# Altium PCB HIL_RIG_REV_1_2.PcbDoc (part 11 of 14) (continued)
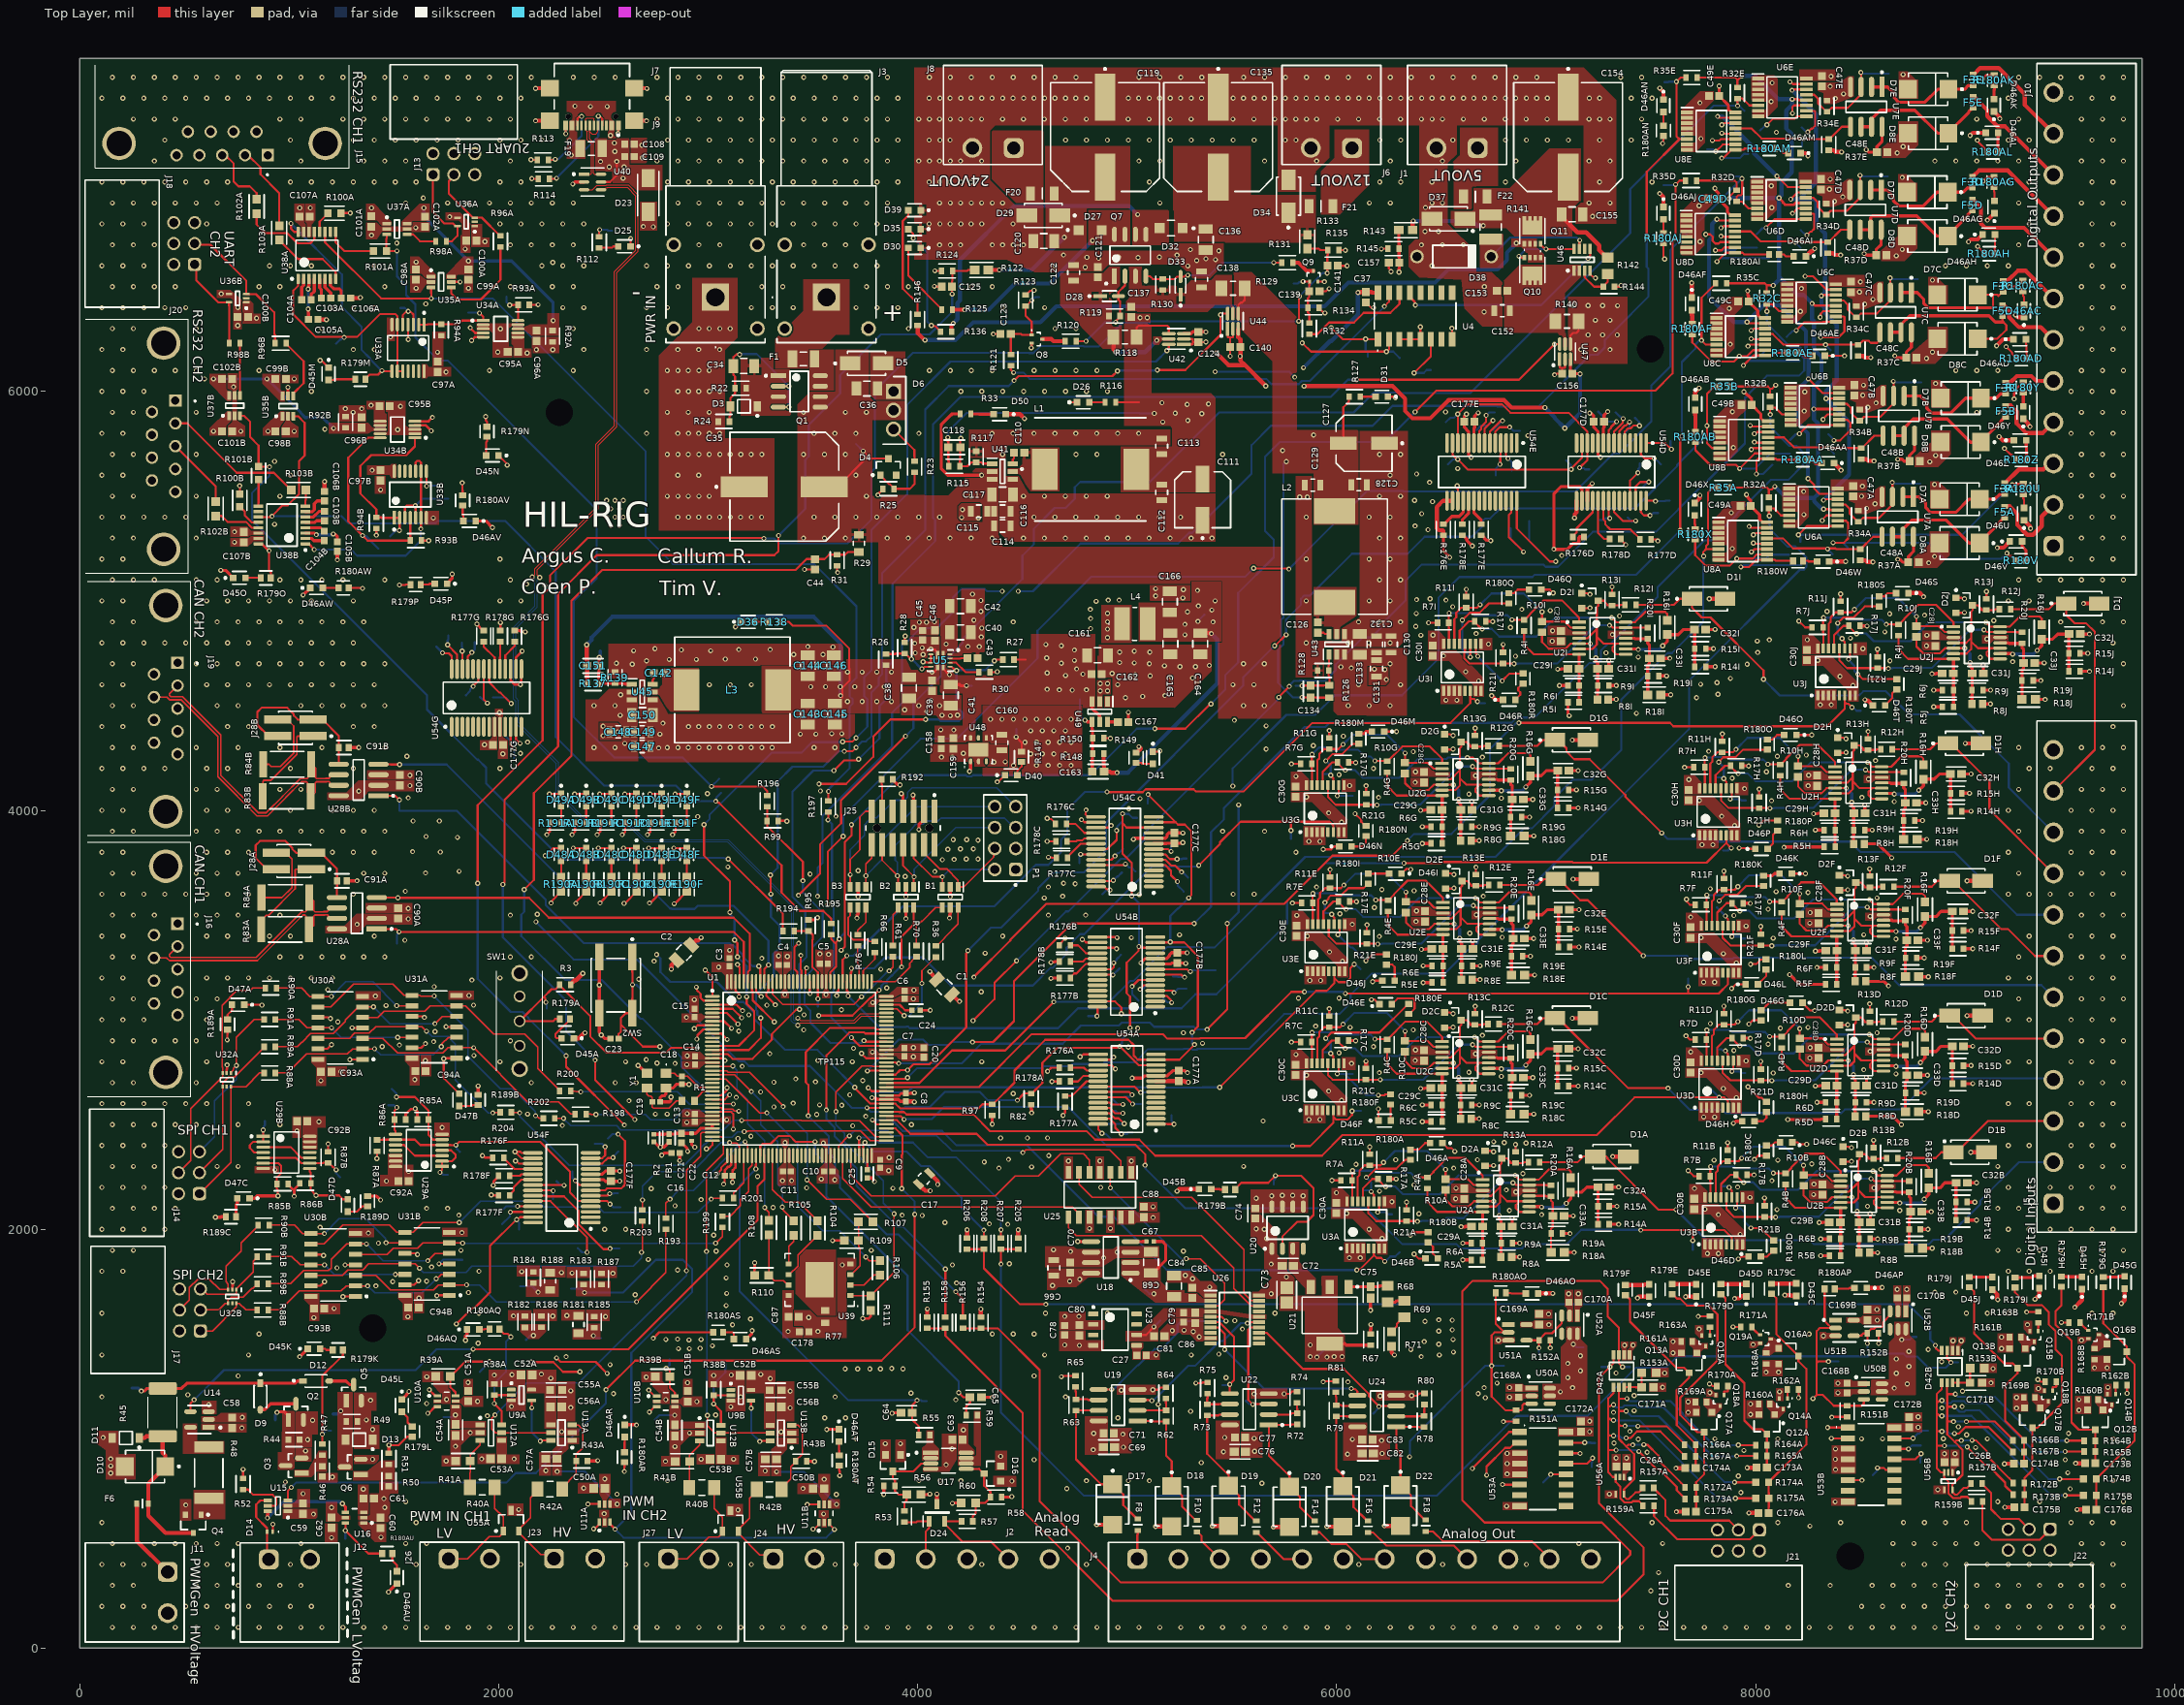
[diagram p0: Top Layer view]
## Nets (pads, with @x,y where several pads share a name; then routed paths per layer and width w, separated by ;. In a path a pad name is that pad's centre, name@x,y a point inside that pad or via, vN(x,y) a via of type N, cw(c..) or ccw(c..) an arc to the next point about the centre after c; other vN are vias at no path point) (continued)
  Top Layer w15: U7E.6@8503.42,7263.64 U7E.7@8553.42,7263.64 8553.42,7300 8596.3,7342.88 8759.75,7342.88 8869.83,7232.81 D8E.1@8920.35,7232.81 8920.35,7234.78 9017.37,7331.8 9017.37,7334.51 9034.83,7351.98 F5E.1@9038.77,7351.98
OrangeLedAnodeA: D46A.2 R180A.2 | length 107.3
  Top Layer w10: R180A.2@6352,2380 6390.25,2380 6422.25,2412 D46A.2@6446,2412
OrangeLedAnodeAA: D46AA.2 R180AA.2 | length 72.8
  Top Layer w20: R180AA.2@8248.98,5674.4 8271.45,5674.4 8287.85,5658 D46AA.2@8314.94,5658
OrangeLedAnodeAB: D46AB.2 R180AB.2 | length 104.2
  Top Layer w20: D46AB.2@7712,5910.94 7712,5887.2 7712.47,5886.73 R180AB.2@7712.47,5806.98
OrangeLedAnodeAC: D46AC.2 R180AC.2 | length 67.9
  Top Layer w10: R180AC.2@9276.29,6479.68 9276.29,6457.21 9280.94,6452.56 D46AC.2@9280.94,6413.72
OrangeLedAnodeAD: D46AD.2 R180AD.2 | length 93.1
  Top Layer w10: D46AD.2@9290.14,6248.97 9290.14,6225.22 9293.05,6222.32 R180AD.2@9293.05,6157.12
OrangeLedAnodeAE: D46AE.2 R180AE.2 | length 77.8
  Top Layer w20: R180AE.2@8200,6184 8222.47,6184 8236.47,6170 D46AE.2@8272,6170
OrangeLedAnodeAF: D46AF.2 R180AF.2 | length 66.9
  Top Layer w20: D46AF.2@7695.79,6388.42 7695.79,6364.67 7698,6362.46 R180AF.2@7698,6322.46
OrangeLedAnodeAG: D46AG.2 R180AG.2 | length 66.9
  Top Layer w10: R180AG.2@9138,6976 9138,6953.53 9140.2,6951.33 D46AG.2@9140.2,6910.04
OrangeLedAnodeAH: D46AH.2 R180AH.2 | length 92.9
  Top Layer w10: R180AH.2@9140.01,6657.44 9140.01,6682.41 9142.65,6685.05 D46AH.2@9142.65,6749.29
OrangeLedAnodeAI: D46AI.2 R180AI.2 | length 72.5
  Top Layer w10: R180AI.2@8112.46,6654 8134.93,6654 8143.47,6645.45 D46AI.2@8181.46,6645.45
OrangeLedAnodeAJ: D46AJ.2 R180AJ.2 | length 66
  Top Layer w10: R180AJ.2@7559.99,6755.88 7559.99,6778.35 D46AJ.2@7560,6821.84
OrangeLedAnodeAK: D46AK.2 R180AK.2 | length 66.9
  Top Layer w15: D46AK.2@9137.67,7395.58 9137.67,7436.75 9140,7439.07 R180AK.2@9140,7461.54
OrangeLedAnodeAL: D46AL.2 R180AL.2 | length 92.2
  Top Layer w15: R180AL.2@9156.9,7142.98 9156.9,7210.27 9157.71,7211.08 D46AL.2@9157.71,7234.83
OrangeLedAnodeAM: D46AM.2 R180AM.2 | length 76
  Top Layer w10: R180AM.2@8090.04,7159.64 8112.51,7159.64 8112.51,7157.75 8132.25,7138 D46AM.2@8156,7138
OrangeLedAnodeAN: D46AN.2 R180AN.2 | length 66
  Top Layer w10: R180AN.2@7560,7268.46 D46AN.2@7560,7334.42
OrangeLedAnodeAO: D46AO.2 R180AO.2 | length 95.9
  Top Layer w10: R180AO.2@6808.04,1696.37 6830.51,1696.37 6832.88,1694 D46AO.2@6902.94,1694
OrangeLedAnodeAP: D46AP.2 R180AP.2 | length 95.7
  Top Layer w10: R180AP.2@8378,1716 8444.25,1716 8448.25,1720 D46AP.2@8472,1720
OrangeLedAnodeAQ: D46AQ.2 R180AQ.2 | length 49.1
  Top Layer w10: D46AQ.2@1907.53,1522 1931.28,1522 1933.28,1524 R180AQ.2@1955.77,1524
OrangeLedAnodeAR: D46AR.2 R180AR.2 | length 72.2
  Top Layer w10: R180AR.2@2601.04,936.18 2601.04,983.29 2602,984.25 D46AR.2@2602,1008
OrangeLedAnodeAS: D46AS.2 R180AS.2 | length 79
  Top Layer w10: R180AS.2@3072,1508 3116.61,1508 3122.47,1502.14 D46AS.2@3122.47,1476
OrangeLedAnodeAT: D46AT.2 R180AT.2 | length 67.1
  Top Layer w10: D46AT.2@3624,986.47 3624,944.7 3626,942.7 R180AT.2@3626,920.23
OrangeLedAnodeAU: D46AU.2 R180AU.2 | length 93.5
  Top Layer w10: R180AU.2@1492.23,452 1492.23,418.23 1514,396.46 D46AU.2@1514,367.53
OrangeLedAnodeAV: D46AV.2 R180AV.2 | length 75
  Top Layer w10: R180AV.2@1828,5455.77 1828,5408.69 1830.94,5405.75 D46AV.2@1830.94,5382
OrangeLedAnodeAW: D46AW.2 R180AW.2 | length 75.5
  Top Layer w10: D46AW.2@1160,5062 R180AW.2@1235.54,5062
OrangeLedAnodeB: D46B.2 R180B.2 | length 97.8
  Top Layer w10: R180B.2@6437.59,1937.54 6440.09,1937.54 6460.22,1917.42 6460.22,1901.4 6459.34,1900.52 6459.34,1884.5 D46B.2@6483.08,1860.75
OrangeLedAnodeC: D46C.2 R180C.2 | length 71
  Top Layer w10: R180C.2@8052,2400.23 8076.97,2400.23 8092.72,2415.98 D46C.2@8116.47,2416
OrangeLedAnodeD: D46D.2 R180D.2 | length 72.1
  Top Layer w10: D46D.2@8025.53,1870 8055.5,1870 8083.5,1898 R180D.2@8086,1898
OrangeLedAnodeE: D46E.2 R180E.2 | length 203.7
  Top Layer w10: D46E.2@6262.98,3074.21 6290.69,3101.93 6365.53,3101.93 6371.97,3095.48 6371.97,3053.47 6346.5,3028 R180E.2@6344,3028
OrangeLedAnodeF: D46F.2 R180F.2 | length 77.2
  Top Layer w10: R180F.2@6257.41,2595.52 6257.41,2573.05 6258.29,2572.18 D46F.2@6258.29,2518.73
OrangeLedAnodeG: D46G.2 R180G.2 | length 153.3
  Top Layer w10: R180G.2@8026,3046.23 8028.5,3046.23 8064.27,3082 D46G.2@8164.47,3082
OrangeLedAnodeH: D46H.2 R180H.2 | length 90.9
  Top Layer w10: D46H.2@7995.53,2516 8036,2516 8052,2532 R180H.2@8052,2559.77
OrangeLedAnodeI: D46I.2 R180I.2 | length 100
  Top Layer w10: R180I.2@6151.07,3697.79 6176.04,3697.79 6176.25,3698 D46I.2@6250.94,3698
OrangeLedAnodeJ: D46J.2 R180J.2 | length 109.3
  Top Layer w10: R180J.2@6238.16,3263.84 6266.16,3263.84 6277.03,3252.97 D46J.2@6277.03,3187.05
OrangeLedAnodeK: D46K.2 R180K.2 | length 80.1
  Top Layer w15: R180K.2@8038,3688 8080.25,3688 8090.25,3698 D46K.2@8114,3698
OrangeLedAnodeL: D46L.2 R180L.2 | length 85.7
  Top Layer w10: D46L.2@8011.53,3170 8050,3208.47 R180L.2@8050,3239.77
OrangeLedAnodeM: D46M.2 R180M.2 | length 66.5
  Top Layer w15: R180M.2@6106,4366.23 6130.97,4366.23 6140.74,4376 D46M.2@6168.47,4376
OrangeLedAnodeN: D46N.2 R180N.2 | length 107.5
  Top Layer w10: D46N.2@6071.53,3828 6122,3828 6140,3846 R180N.2@6140,3877.54
OrangeLedAnodeO: D46O.2 R180O.2 | length 89.4
  Top Layer w10: R180O.2@8056,4338.46 8080.97,4338.46 8102.52,4360 D46O.2@8136.47,4360
OrangeLedAnodeP: D46P.2 R180P.2 | length 108
  Top Layer w10: D46P.2@8057.53,3816 8082.77,3841.25 8082.77,3882.62 8102.9,3902.75 R180P.2@8105.4,3902.75
OrangeLedAnodeQ: D46Q.2 R180Q.2 | length 103.3
  Top Layer w10: R180Q.2@6822,5036.46 6846.97,5036.46 6864.52,5054 D46Q.2@6918,5054
OrangeLedAnodeR: D46R.2 R180R.2 | length 101.6
  Top Layer w10: D46R.2@6853.06,4528 6876.8,4551.75 6876.8,4563.27 6866.94,4573.14 6866.94,4584.67 6887.06,4604.79 R180R.2@6889.56,4604.79
OrangeLedAnodeS: D46S.2 R180S.2 | length 87.4
  Top Layer w10: R180S.2@8590,5022 8614.97,5022 8630.41,5037.44 D46S.2@8671.02,5037.44
OrangeLedAnodeT: D46T.2 R180T.2 | length 101.4
  Top Layer w10: D46T.2@8618.61,4501.23 8651.76,4534.37 8651.76,4557.89 8671.89,4578.02 R180T.2@8674.39,4578.02
OrangeLedAnodeU: D46U.2 R180U.2 | length 67.3
  Top Layer w10: R180U.2@9277.76,5510.36 9277.76,5487.9 9280.94,5484.72 D46U.2@9280.94,5444.4
OrangeLedAnodeV: D46V.2 R180V.2 | length 99.3
  Top Layer w15: D46V.2@9272.61,5283.65 9272.61,5259.9 9290.69,5241.82 R180V.2@9290.69,5191.8
OrangeLedAnodeW: D46W.2 R180W.2 | length 67.4
  Top Layer w10: R180W.2@8226.98,5191.37 8249.45,5191.37 8252.82,5188 D46W.2@8292.94,5188
OrangeLedAnodeX: D46X.2 R180X.2 | length 66.9
  Top Layer w10: D46X.2@7709.73,5407.96 7709.73,5366.74 7712,5364.47 R180X.2@7712,5342
OrangeLedAnodeY: D46Y.2 R180Y.2 | length 66
  Top Layer w15: D46Y.2@9278.02,5928.61 9278.02,5972.06 9277.99,5972.1 R180Y.2@9277.99,5994.57
OrangeLedAnodeZ: D46Z.2 R180Z.2 | length 92.5
  Top Layer w15: D46Z.2@9291.77,5766.58 9291.77,5742.83 9293.05,5741.55 R180Z.2@9293.05,5674.58
OV_IN_DETECT: D4.1 R23.1 R25.2 | length 258
  Top Layer w10: D4.1@3822.6,5600.63 3822.6,5598.66 3864.62,5556.64 3868.02,5556.64 3886.64,5538.02 R25.2@3886.64,5535 3963,5535 3985,5557 R23.1@3985,5613.36
POWER_CTL_A: TP10.1 TP84G.1 U4.1 U54G.21 | length 6019.3
  Top Layer w10: U54G.21@1954.8,4674.8 1954.8,4611.2 2004.06,4561.94 2008.06,4561.94 v1(2060,4510) ; v1(5974,6304) 6028.86,6249.14 U4.1@6198.03,6249.14
  Int3 (Sign) w10: v1(2060,4510) 2214,4664 2214,4684 2352,4822 2352,5576 2630,5854 3718,5854 3860,5712 3984,5712 4121,5575 5072.36,5575 5504,6006.64 5504,6064 5744,6304 v1(5974,6304)
  Bottom Layer w10: TP84G.1@1974,4540 2030,4540 v1(2060,4510) ; v1(6138,6250) 6138,6195.81 6148,6185.81 TP10.1@6148,6166
POWER_CTL_B: TP11.1 TP85G.1 U4.2 U54G.22 | length 6104.5
  Top Layer w10: U54G.22@1929.2,4674.8 1929.2,4528.8 v1(1946,4512) ; v1(5836,6232) 5878,6190 v1(6238,6190) 6250,6202 U4.2@6250,6249.14
  Int3 (Sign) w10: v1(1946,4512) 1946,4460.26 1974.26,4432 2112,4432 2470,4790 2470,4944 2406,5008 2406,5478 2564.69,5636.69 3735.31,5636.69 3847,5525 5115,5525 5584,5994 5584,6068 5748,6232 v1(5836,6232)
  Bottom Layer w10: TP85G.1@1910,4542 1926,4526 1929,4526 1943,4512 v1(1946,4512) ; v1(6238,6190) 6270,6190 TP11.1@6300,6160
POWER_OUT_EN: TP12.1 TP86G.1 U4.6 U54G.23 | length 6110.9
  Top Layer w10: v1(1878,4592) 1878,4593.94 1903.61,4619.55 U54G.23@1903.61,4674.8 ; v1(6370,6088) 6450,6168 U4.6@6450,6249.14
  Int3 (Sign) w10: v1(1878,4592) 1996,4592 2264,4860 2264,5668 2750,6154 3137.29,6154 3139.64,6151.64 3160.36,6151.64 3162.71,6154 5360,6154 v1(5420,6094) ; v1(5800,6068) 5916.89,6068 5924.89,6060 6038,6060 6086,6108 6350,6108 v1(6370,6088)
  Bottom Layer w10: TP86G.1@1844,4550 1863.81,4569.81 1863.81,4577.81 v1(1878,4592) ; v1(5420,6094) 5774,6094 v1(5800,6068) ; v1(6370,6088) 6416.19,6088 6430.19,6102 TP12.1@6450,6102
PR1: R26.2 R28.2 U5.6 | length 249.9
  Top Layer w10: R26.2@3848,4746.64 3892.64,4746.64 3894.61,4748.61 3941.24,4748.61 3967.85,4722 v1(3970,4722) ; v1(4020,4676) 4023.79,4676 4033.51,4685.72 U5.6@4062.94,4685.72
  Bottom Layer w10: v1(3970,4722) 3972,4722 4018,4676 v1(4020,4676)
PULLDOWN_SEL_A0_CH1: TP85A.1 U53A.1 U54A.22 | length 3250
  Top Layer w10: U54A.22@4862,2656.01 5009.73,2656.01 5023.75,2642 v1(5024,2642) ; v1(6648,858) 6822.97,1032.97 U53A.1@6872.78,1032.97
  Int3 (Sign) w10: v1(5024,2642) 5183,2483 5183,2425 5520,2088 5520,2029.37 5536,2013.37 5536,1577.36 5539,1574.36 5539,1551 5525,1537 5525,1513.64 6050,988.64 6050,987.29 6179.29,858 v1(6648,858)
  Bottom Layer w10: TP85A.1@4986,2632 5010.21,2632 5020.21,2642 v1(5024,2642)
PULLDOWN_SEL_A0_CH2: TP89A.1 U53B.1 U54A.26 | length 5752.6
  Top Layer w10: U54A.26@4862,2553.65 4917.24,2553.65 4940.73,2530.17 4959.83,2530.17 v1(4986,2504) ; v1(8344,1054) U53B.1@8440.38,1053.97
  Int3 (Sign) w10: v1(4986,2504) 4986,2477.36 5061,2402.36 5061,1512.36 5293.46,1279.89 5293.46,1219.79 5869.25,644 7168,644 7494,318 8088,318 8300,530 8300,1010 v1(8344,1054)
  Bottom Layer w10: TP89A.1@4896,2504 v1(4986,2504)
PULLDOWN_SEL_A1_CH1: TP86A.1 U53A.2 U54A.23 | length 3320.1
  Top Layer w10: U54A.23@4862,2630.42 4993.58,2630.42 v1(5026,2598) ; v1(6716,826) 6716,867.36 6804.93,956.29 6827.4,956.29 6852.11,981 U53A.2@6872.78,981
  Int3 (Sign) w10: v1(5026,2598) 5167,2457 5167,2337 5430,2074 5430,1460 5443.18,1446.82 5451.46,1446.82 5455.64,1451 5476.36,1451 6101.36,826 v1(6716,826)
  Bottom Layer w10: v1(5026,2598) TP86A.1@5066,2598
PULLDOWN_SEL_A1_CH2: TP90A.1 U53B.2 U54A.27 | length 5905.2
  Top Layer w10: U54A.27@4862,2528.06 4917.24,2528.06 4943.28,2502.02 4943.28,2484.72 v1(4972,2456) ; v1(8362,1002) U53B.2@8440.38,1002
  Int3 (Sign) w10: v1(4972,2456) 4972,1906.43 5020,1858.43 5020,1302 5112.64,1209.36 5146.64,1209.36 6120,236 8186,236 8352,402 8352,989.14 8362,999.14 v1(8362,1002)
  Bottom Layer w10: v1(4972,2456) 5000.19,2456 5006.19,2462 TP90A.1@5026,2462
PULLDOWN_SEL_EN_CH1: TP87A.1 U53A.6 U54A.24 | length 3361.5
  Top Layer w10: U54A.24@4862,2604.83 4917.24,2604.83 4926.08,2596 v1(4980,2596) ; v1(6792,782) 6793,781 U53A.6@6872.78,781
  Int3 (Sign) w10: v1(4980,2596) 5151,2425 5151,2309 5284,2176 5284,1915.36 5307,1892.36 5307,1849.64 5253,1795.64 5253,1769.64 5282,1740.64 5282,1645.36 5360,1567.36 5360,1505.36 5369,1496.36 5369,1475.64 5360,1466.64 5360,1424.64 5467.64,1317 5482.36,1317 5515,1284.36 5515,1269.64 5595.64,1189 5641,1189 6050,780 6790,780 v1(6792,782)
  Bottom Layer w10: TP87A.1@4924,2628 4956,2596 v1(4980,2596)
PULLDOWN_SEL_EN_CH2: TP91A.1 U53B.6 U54A.28 | length 6076.7
  Top Layer w10: U54A.28@4862,2502.47 4862,2476 v1(4880,2458) ; U53B.6@8440.38,802 v1(8508,802)
  Int3 (Sign) w10: v1(4880,2458) 4836,2414 4836,2042 4854,2024 4854,1988 4836,1970 4836,1320 4901,1255 4901,1225.64 4915.64,1211 4945,1211 5978,178 8340,178 8556,394 8556,754 v1(8508,802)
  Bottom Layer w10: v1(4880,2458) 4882.68,2455.32 4898.68,2455.32 TP91A.1@4926,2428
PWM_CAPTURED_EDGE_MCU_CH1: TP27A.1 U1.34 U12A.5 U13A.5 | length 2316.5
  Top Layer w6.12: v1(1982,1114) 1966,1098 1966,1047.35 1984.35,1029 U12A.5@2014,1029 U13A.5@2249,1029 ; v1(2896,1802) 2896,2282 2964,2350 2964,2456 2970.19,2462.19 U1.34@3020,2462.19
  Bottom Layer w6.12: v1(1982,1114) 2133.94,1265.94 TP27A.1@2381.94,1265.94 2896,1780 v1(2896,1802)
PWM_CAPTURED_EDGE_MCU_CH2: TP27B.1 U1.35 U12B.5 U13B.5 | length 1781.9
  Top Layer w6.12: v1(2992,1894) 2990.94,1895.06 2990.94,2280.94 3072,2362 3072,2433.94 3063.43,2442.5 U1.35@3020,2442.5 ; v1@2996.73,1116.3 v1(2996.73,1111.46) 2996.73,1062.39 3031.61,1027.52 U12B.5@3061.26,1027.52 U13B.5@3296.26,1027.52
  Bottom Layer w6.12: v1(2992,1894) 2994.37,1891.63 2994.37,1113.83 v1(2996.73,1111.46)
PWM_GEN_HV_12V: R47.2 R179K.1 TP32.1 TP88F.1 U54F.25 | length 2251
  Top Layer w10: R47.2@1158,974.64 v1(1158,1022) 1158,1300.57 1256.46,1399.03 R179K.1@1256.46,1424 ; v1(2090,2110) 2090.76,2109.25 U54F.25@2163.76,2109.25
  Int3 (Sign) w10: v1(1158,1022) 1158,1086 1796,1724 1796,1828.64 1872,1904.64 1872,2012 1970,2110 v1(2090,2110)
  Bottom Layer w10: v1(1158,1022) 1174,1038 TP32.1@1200,1038 ; TP88F.1@2002,2096 2021.81,2096 2035.81,2110 v1(2090,2110)
PWM_GEN_HV_24V: R51.2 R179L.1 TP33.1 TP89F.1 U54F.26 | length 1740.1
  Top Layer w10: v1(1476,970) 1523.26,970 1563.03,1009.77 R179L.1@1588,1009.77 ; v1(2056,2082) 2057.65,2083.65 U54F.26@2163.76,2083.65
  Top Layer w15: R51.2@1476,930.64 v1(1476,970)
  Int3 (Sign) w10: v1(1476,970) 1476,1278 1984,1786 1984,1876 2056,1948 v1(2056,2082)
  Bottom Layer w10: v1(1476,970) TP33.1@1476,1007 ; TP89F.1@2016,2024 2054,2062 2054,2080 v1(2056,2082)
PWM_GEN_LV_VSEL: R180AU.1 TP34.1 TP90F.1 U16.6 U54F.27 | length 2259.6
  Top Layer w10: U16.6@1268.69,598.41 1268.69,562.69 v1(1268,562) 1378,452 R180AU.1@1443.77,452 ; v1(1798,1548) 1874.34,1624.34 1884.34,1624.34 1958,1698 1958,1920 2084,2046 2089.79,2046 2101.85,2058.06 U54F.27@2163.76,2058.06
  Int3 (Sign) w10: v1(1268,562) 1268,565.36 1604.8,902.15 1604.8,1354.8 v1(1798,1548)
  Bottom Layer w10: TP34.1@1268,524 v1(1268,562) ; v1(2086,2046) 2086,2042.21 2098,2030.21 TP90F.1@2098,2000
PWM_GEN_MCU_HV_N: U1.46 U14.4 | length 3430.4
  Top Layer w10: U14.4@528.67,1129.4 528.67,1168.67 v1(546,1186) ; v1(1878,1428) 2620,1428 3236,2044 3236,2206 3268.03,2238.03 U1.46@3268.03,2351.95
  Bottom Layer w10: v1(546,1186) 688,1328 1604,1328 1704,1428 v1(1878,1428)
PWM_GEN_MCU_LV: U1.76 U15.3 | length 4433.6
  Top Layer w10: U15.3@994.23,705.59 994.23,752.23 v1(1010,768) ; v1(2512,1234) 2651,1373 3827,1373 3986,1532 v1(3986,2072) ; U1.76@3850.71,2481.87 3894.14,2481.87 3928,2448.01 3928,2357.9 3924,2353.9 v1(3924,2194)
  Bottom Layer w10: v1(1010,768) 1032.43,790.43 2035.79,790.43 2081.36,836 2177.64,836 2214.64,873 2215,873 2512,1170 v1(2512,1234) ; v1(3924,2194) 3986,2132 v1(3986,2072)
PWM_GEN_OUT_HV: F6.2 J11.1 | length 406.2
  Top Layer w20: F6.2@272.44,690 272.44,512.31 414.75,370 J11.1@442,370
PWM_HV_SHDNA: TP21A.1 U9A.4 U13A.6 | length 262.8
  Top Layer w10: U9A.4@2157.23,1183.41 2157.23,1148.77 v1(2158,1148) ; v1(2199,989) 2201.6,991.6 U13A.6@2249,991.6
  Bottom Layer w10: v1(2158,1148) 2158,1030 v1(2199,989)
PWM_HV_SHDNB: TP21B.1 U9B.4 U13B.6 | length 262.8
  Top Layer w10: U9B.4@3204.49,1181.93 3204.49,1147.29 v1(3205.26,1146.52) ; v1(3246.26,987.52) 3248.86,990.12 U13B.6@3296.26,990.12
  Bottom Layer w10: v1(3205.26,1146.52) TP21B.1@3205.26,1080.52 3205.26,1028.52 v1(3246.26,987.52)
PWM_IN_HVA: J23.1 R42A.1 U55A.2 | length 464.4
  Top Layer w6.12: R42A.1@2185.31,760 2185.31,752.08 2151,717.76 2151,623.24 2096.4,568.65 U55A.2@2096.4,559.79 2096.4,550.93 2199.71,447.62 2244.38,447.62 J23.1@2264,428
PWM_IN_HVB: J24.1 R42B.1 U55B.2 | length 464.4
  Top Layer w6.12: R42B.1@3232.58,758.52 3232.58,750.6 3198.26,716.28 3198.26,621.76 3143.66,567.16 U55B.2@3143.66,558.31 3143.66,549.45 3246.97,446.14 3291.64,446.14 J24.1@3311.26,426.52
PWM_IN_LVA: J26.1 R40A.1 U55A.1 | length 545.2
  Top Layer w6.12: J26.1@1761.57,427.48 1850.74,427.48 1955.73,532.48 2003.15,532.48 2021.6,550.93 U55A.1@2021.6,559.79 2021.6,627.46 1980.63,668.43 R40A.1@1980.63,768
PWM_IN_LVB: J27.1 R40B.1 U55B.1 | length 545.2
  Top Layer w6.12: J27.1@2808.84,426 2898,426 3002.99,530.99 3050.41,530.99 3068.86,549.45 U55B.1@3068.86,558.31 3068.86,625.98 3027.89,666.95 R40B.1@3027.89,766.52
PWM_MODE_0_CH1: R38A.1 R180AQ.1 TP24A.1 TP84F.1 U9A.2 U12A.6 U54F.21 | length 1721.1
  Top Layer w10: R180AQ.1@2004.23,1524 2004.23,1521.5 2024.35,1501.37 2042.63,1501.37 v1(2058,1486) ; U12A.6@2014,1066.4 2014,1133 v1(1979,1168) R38A.1@1979,1209 U9A.2@2060.77,1209 ; U54F.21@2163.76,2211.61 2310.39,2211.61 v1(2312,2210)
  Int3 (Sign) w10: v1(2058,1486) 2128,1556 2128,1702 2358,1932 2358,2164 v1(2312,2210)
  Bottom Layer w10: v1(1979,1168) 1979,1263.79 2034.47,1319.26 2034.47,1462.47 v1(2058,1486) ; TP84F.1@2276,2230 2295.81,2210.19 2311.81,2210.19 v1(2312,2210)
PWM_MODE_0_CH2: R38B.1 R180AS.1 TP24B.1 TP86F.1 U9B.2 U12B.6 U54F.23 | length 2251.3
  Top Layer w10: U54F.23@2163.76,2160.42 2229.32,2160.42 2232.74,2157 2311.74,2157 2381.1,2087.64 2381.1,2024.25 2500,1905.35 2529.35,1905.35 v1(2532,1908) ; v1(2738,1480) 2766,1508 R180AS.1@3023.54,1508 ; U12B.6@3061.26,1064.92 3061.26,1131.52 v1(3026.26,1166.52) R38B.1@3026.26,1207.52 U9B.2@3108.03,1207.52
  Int3 (Sign) w10: v1(2532,1908) 2682.16,1757.84 2682.16,1665.19 2683,1664.36 2683,1535 2926.26,1291.74 2926.26,1266.52 v1(3026.26,1166.52)
  Bottom Layer w10: v1(2532,1908) TP86F.1@2576,1908 ; v1(3026.26,1166.52) 3026.26,1262.31 3081.73,1317.78 TP24B.1@3081.73,1356.46
PWM_MODE_1_CH1: R39A.1 R180AR.1 TP25A.1 TP85F.1 U10A.6 U11A.6 U54F.22 | length 2819
  Top Layer w10: U10A.6@1794,1205.18 1794,1221.05 1769.47,1245.58 R39A.1@1769.47,1297.94 1770.39,1297.94 1840.44,1368 v1(1956,1368) ; v1(2154.59,1365.85) 2260.79,1365.85 2306.64,1320 v1(2388,1320) ; U54F.22@2163.76,2186.01 2257.98,2186.01 v1(2260,2184) ; v1(2426,688) 2426.52,688.52 U11A.6@2480.93,688.52 ; v1(2600,844) 2600,864.21 2601.04,865.26 R180AR.1@2601.04,887.72
  Int3 (Sign) w10: v1(2154.59,1365.85) 2153.52,1366.93 1957.07,1366.93 1955,1369 1955,1463 1984,1492 1984,1632 2178,1826 2178,2046 2260,2128 v1(2260,2184) ; v1(2388,1320) 2450,1258 2450,1062 2528,984 2528,916 v1(2600,844) 2446,690 2428,690 v1(2426,688)
  Bottom Layer w10: TP25A.1@1910,1320 1956,1366 v1(1956,1368) ; TP85F.1@2260,2144 v1(2260,2184)
PWM_MODE_1_CH2: R39B.1 R180AT.1 TP25B.1 TP87F.1 U10B.6 U11B.6 U54F.24 | length 2763
  Top Layer w10: U54F.24@2163.76,2134.83 2247.38,2134.83 2422,1960.21 v1(2422,1890) ; v1(2800,1336) 2803.79,1336 2808.4,1331.39 2809.73,1331.39 2816.73,1324.39 R39B.1@2816.73,1296.46 2816.73,1244.1 2841.26,1219.57 U10B.6@2841.26,1203.7 ; v1(3473.26,686.52) 3473.78,687.04 U11B.6@3528.19,687.04 ; R180AT.1@3626,871.77 3626,849.3 3628,847.3 v1(3628,824)
  Int3 (Sign) w10: v1(2422,1890) 2520,1792 2520,1608.94 2535,1593.94 2535,1585 2782.91,1337.09 2798.91,1337.09 v1(2800,1336) 2800,1226 3084,942 3084,828 3225.48,686.52 v1(3473.26,686.52) 3608.07,821.32 3625.32,821.32 v1(3628,824)
  Bottom Layer w10: TP87F.1@2378,1910 2398,1890 v1(2422,1890) ; v1(2800,1336) 2816,1352 TP25B.1@2816,1378
QSPI_IO0: R105.1 U1.20 | length 921.9
  Top Layer w6.12: U1.20@3020,2737.78 3126.22,2737.78 v1(3206,2658) ; v1(3354,2106) 3357.42,2102.58 3357.42,2092.01 3408,2041.43 R105.1@3408,2040.52
  Bottom Layer w6.12: v1(3206,2658) 3250,2614 3250,2500 3331.92,2418.08 3331.92,2222.4 3332,2222.32 3332,2218 3356,2194 3356,2108 v1(3354,2106)
QSPI_IO0_FLASH: R105.2 U39.5 | length 147.4
  Top Layer w6.12: U39.5@3384,1834 3384,1918.64 3408,1942.64 R105.2@3408,1971.48
QSPI_IO1: R106.1 U1.21 | length 1333.9
  Top Layer w6.12: U1.21@3020,2718.09 3084.61,2718.09 3246.71,2556 v1(3280,2556) ; v1(3752,1868) 3769.48,1850.52 R106.1@3820,1850.52
  Bottom Layer w6.12: v1(3280,2556) 3426,2410 3426,2112 3546,1992 3628,1992 v1(3752,1868)
QSPI_IO1_FLASH: R106.2 U39.2 | length 160
  Top Layer w6.12: U39.2@3679.67,1734 3744.59,1734 3792.08,1781.48 R106.2@3820,1781.48
QSPI_IO2: R107.1 U1.19 | length 1206.5
  Top Layer w6.12: U1.19@3020,2757.46 3087.93,2757.46 3095.5,2749.89 3198.11,2749.89 3358,2590 v1(3358,2586) ; v1(3472,2236) 3565.28,2142.72 3679.39,2142.72 3786.11,2036 R107.1@3787.03,2036
  Bottom Layer w6.12: v1(3358,2586) 3359.86,2584.14 3359.86,2570.14 3472,2458 v1(3472,2236)
QSPI_IO2_FLASH: R107.2 R109.2 U39.3 | length 276.2
  Top Layer w6.12: U39.3@3679.67,1784 3682.62,1784 3726,1827.38 3726,1910.08 3718,1918.08 R109.2@3718,1946 R107.2@3718,2036
QSPI_IO3: R108.1 U1.18 | length 907.9
  Top Layer w6.12: U1.18@3020,2777.15 3115.15,2777.15 v1(3118,2780) ; v1(3270,2104) 3270,2102 3290,2082 R108.1@3290,2042.52
  Bottom Layer w6.12: v1(3118,2780) 3138,2760 3138,2668 3188.71,2617.29 3188.71,2505.29 3270,2424 v1(3270,2104)
QSPI_IO3_FLASH: R108.2 R110.2 U39.7 | length 305.6
  Top Layer w6.12: R110.2@3290,1780 R108.2@3290,1973.48 ; R110.2@3290.92,1780 3316.5,1754.42 3360.63,1754.42 3381.05,1734 U39.7@3384,1734
QSPI_NCS: R111.1 U1.91 U39.1 | length 1524
  Top Layer w6.12: v1(3610,2562) 3610,2654 3735.06,2779.06 3783.54,2779.06 3785.45,2777.15 U1.91@3850.71,2777.15 ; U39.1@3679.67,1684 3702.43,1684 3704.43,1682 R111.1@3776,1682 3776,1682.92 3888,1794.92 v1(3888,2074)
  Bottom Layer w6.12: v1(3610,2562) 3610,2499.87 3650.94,2458.93 3650.94,2417.06 3836,2232 3836,2126 v1(3888,2074)
QSPI_SCK: R104.1 U1.48 | length 438.7
  Top Layer w6.12: U1.48@3307.4,2351.95 3307.4,2190.6 3369.19,2128.81 3434.63,2128.81 3522,2041.43 R104.1@3522,2040.52
QSPI_SCK_FLASH: R104.2 U39.6 | length 246.4
  Top Layer w6.12: U39.6@3384,1784 3386.95,1784 3428,1825.05 3428,1876.57 3522,1970.57 R104.2@3522,1971.48
Reg_Byp: C67.1 U18.4 | length 75.9
  Top Layer w15: U18.4@5016.56,1941 5073.16,1941 5074.16,1942 C67.1@5092,1942
RoutA: R101A.2 U38A.9 | length 248.4
  Top Layer w10: U38A.9@1222.06,6761.85 1222.06,6711.44 1258.5,6675 1263.57,6669.93 1377.87,6669.93 1377.94,6670 R101A.2@1402.84,6670
RoutB: R101B.2 U38B.9 | length 128.8
  Top Layer w10: U38B.9@853.15,5451.56 853.15,5467.43 854,5468.28 R101B.2@854,5580
RS232_ENABLEA: R179M.1 TP57A.1 U33A.8 U38A.16 | length 1095
  Top Layer w10: v1(1008,6802) 1009.22,6800.78 1009.22,6776.78 1024.15,6761.85 U38A.16@1042.92,6761.85 ; R179M.1@1364.23,6058 1364.23,6060.5 1384.35,6080.63 1424.13,6080.63 v1(1442.5,6099) 1444.71,6096.79 U33A.8@1490.45,6096.79
  Bottom Layer w10: v1(1008,6802) 1251.5,6558.5 1251.5,6402.5 1344.81,6309.19 1344.81,6199.19 1387.51,6156.49 1387.51,6152.49 TP57A.1@1408,6132 1441,6099 v1(1442.5,6099)
RS232_ENABLEA_n: TP55A.1 U33A.6 U33A.9 U33A.10 U38A.1 | length 1109.3
  Top Layer w10: U38A.1@1042.92,6537.44 1042.92,6504.92 1020,6482 1020,6366.84 1126.84,6260 1262,6260 1324,6260 1434,6370 1506,6370 1516.04,6359.96 U33A.9@1516.04,6096.79 U33A.10@1541.63,6096.79
  Bottom Layer w10: TP55A.1@1224,6228 1243.81,6247.81 1248.02,6247.81 1258.21,6258 v1(1262,6258)
RS232_ENABLEB: R179O.1 TP57B.1 U33B.8 U38B.16 | length 1209.8
  Top Layer w10: U38B.16@853.15,5272.42 868.9,5272.42 901.32,5240 v1(904,5240) 904,5143.2 912.23,5134.97 R179O.1@912.23,5110 ; U33B.8@1654.77,5619.24 1654.77,5550 1655.39,5549.39 1655.39,5548.61 v1(1656,5548)
  Int3 (Sign) w10: v1(904,5240) 970.89,5240 1192.89,5462 1570,5462 v1(1656,5548)
  Bottom Layer w10: v1(1656,5548) 1658,5550 TP57B.1@1716,5550
RS232_ENABLEB_n: TP55B.1 U33B.6 U33B.9 U33B.10 U38B.1 | length 1051.4
  Top Layer w10: U38B.1@1077.56,5272.42 1093.31,5272.42 1119,5246.73 v1(1119,5245) ; U33B.10@1603.59,5619.24 1603.59,5661.51 1610.08,5668 1621.26,5668 1629.18,5660.08 U33B.9@1629.18,5619.24 U33B.6@1629.18,5396.76 1629.18,5344.59 1628.59,5344.59 v1(1628,5344)
  Bottom Layer w10: v1(1119,5245) 1295,5245 1324,5216 TP55B.1@1556,5216 1628,5288 v1(1628,5344)
RS232_RX_IN_DUTA: J15.2 R103A.2 | length 412.8
  Top Layer w10: J15.2@789.13,7128.09 791.03,7126.19 805.58,7126.19 862.94,7068.83 862.94,7036.27 952.5,6946.72 R103A.2@952.5,6791.52
RS232_RX_IN_DUTB: J20.2 R103B.2 | length 685.2
  Top Layer w10: J20.2@456.81,5847.64 514.36,5847.64 750,5612 927.05,5612 975.23,5563.82 975.23,5563.34 1009.05,5529.52 R103B.2@1009.97,5529.52
RS232_RX_INA: R103A.1 U38A.8 | length 365.3
  Top Layer w10: R103A.1@952.5,6722.48 952.5,6721.57 1042.28,6631.78 1159.34,6631.78 1222.06,6569.06 U38A.8@1222.06,6537.44
RS232_RX_INB: R103B.1 U38B.8 | length 78.6
  Top Layer w10: U38B.8@1077.56,5451.56 1077.56,5479.56 1079,5481 R103B.1@1079,5529.52
RS232_TX_OUT_DUTA: J15.3 R102A.2 | length 318.9
  Top Layer w10: J15.3@680.07,7128.09 681.98,7126.19 696.53,7126.19 735.29,7087.43 735.29,7001.43 757.52,6979.19 811.66,6979.19 844.5,6946.36 R102A.2@844.5,6917.52
RS232_TX_OUT_DUTB: J20.3 R102B.2 | length 343.7
  Top Layer w10: J20.3@456.81,5738.58 649,5546.39 R102B.2@649,5474.52
RS232_TX_OUTA: R102A.1 U38A.13 | length 407.6
  Top Layer w10: R102A.1@844.5,6848.48 844.5,6797 885.31,6756.19 990.65,6756.19 1039.84,6707 1100.5,6707 1119.7,6726.2 U38A.13@1119.7,6761.85
RS232_TX_OUTB: R102B.1 U38B.13 | length 227.5
  Top Layer w10: R102B.1@649,5405.48 676.92,5405.48 705.07,5377.34 793.38,5377.34 821.53,5349.2 U38B.13@853.15,5349.2
SPI_EN_CH1: R87A.2 TP50A.1 TP96F.1 U29A.5 U29A.9 U54F.5 | length 1405.4
  Top Layer w10: R87A.2@1420,2426.64 1443.99,2426.64 1445.53,2428.18 U29A.9@1507.48,2428.18 1600.06,2428.18 1625.65,2402.59 U29A.5@1729.95,2402.59 1770.54,2402.59 1771.13,2402 v1(1796,2402) 1812,2418 2198,2418 2340,2276 2340,2176 2381.16,2134.83 2517.16,2134.83 v1(2532,2120)
  Bottom Layer w10: v1(1796,2402) 1798.68,2399.32 1798.68,2385.32 TP50A.1@1814,2370 ; v1(2532,2120) 2532.28,2120 2546.28,2106 TP96F.1@2580,2106
SPI_EN_CH2: R87B.2 TP50B.1 TP98F.1 U29B.5 U29B.9 U54F.7 | length 2366.7
  Top Layer w10: U29B.5@876.05,2341.41 1032.34,2341.41 1057.93,2315.82 U29B.9@1098.52,2315.82 1160.47,2315.82 1162.01,2317.36 R87B.2@1186,2317.36 1189.02,2317.36 1207.64,2298.73 1209.27,2298.73 v1(1224,2284) ; U54F.7@2439.35,2186.01 2508.66,2186.01 2517.65,2195.01 2585.01,2195.01 2602,2212 2602,2218.64 2603,2219.64 2603,2421 v1(2570,2454)
  Int3 (Sign) w10: v1(1224,2284) 1451,2511 2125.43,2511 2182.43,2454 v1(2570,2454)
  Bottom Layer w10: v1(1224,2284) 1224.19,2283.81 1224.19,2267.81 TP50B.1@1244,2248 ; TP98F.1@2522,2434 2542,2454 v1(2570,2454)
SPI_EN_MASTER_NSLAVE_CH1: TP51A.1 TP97F.1 U29A.1 U29A.2 U29A.4 U54F.6 | length 1274.2
  Top Layer w10: v1(1720,2272) 1720,2274.78 1729.95,2284.73 U29A.1@1729.95,2300.23 U29A.2@1729.95,2325.82 1777.82,2325.82 1794,2342 1794,2356 1773,2377 U29A.4@1729.95,2377 ; U54F.6@2439.35,2160.42 2518.43,2160.42 2528,2170 v1(2530,2170)
  Int3 (Sign) w10: v1(1720,2272) 2476,2272 2528,2220 2528,2172 v1(2530,2170)
  Bottom Layer w10: v1(1720,2272) 1723.79,2272 1735.79,2260 TP51A.1@1758,2260 ; v1(2530,2170) 2548.19,2170 2550.19,2172 TP97F.1@2570,2172
SPI_EN_MASTER_NSLAVE_CH2: TP51B.1 TP99F.1 U29B.1 U29B.2 U29B.4 U54F.8 | length 2006.7
  Top Layer w10: v1(876,2474) v1(876,2474) U29B.1@876.05,2443.77 U29B.2@876.05,2418.18 828.18,2418.18 812,2402 812,2388 833,2367 U29B.4@876.05,2367 ; v1(2366,2232) 2366,2229.71 2384.1,2211.61 U54F.8@2439.35,2211.61
  Int3 (Sign) w10: v1(876,2474) 1145,2205 1724.61,2205 1754.61,2235 2330.43,2235 2333.43,2232 v1(2366,2232)
  Bottom Layer w10: v1(876,2474) 878.68,2476.68 878.68,2490.87 884,2496.19 TP51B.1@884,2516 ; TP99F.1@2352,2276 2352,2246.28 2366,2232.28 v1(2366,2232)
SPI_EN_SLAVE_NMASTERA: U29A.3 U29A.10 | length 243.7
  Top Layer w10: U29A.10@1507.48,2402.59 1548.07,2402.59 1599.25,2351.41 U29A.3@1729.95,2351.41
SPI_EN_SLAVE_NMASTERB: U29B.3 U29B.10 | length 243.7
  Top Layer w10: U29B.3@876.05,2392.59 1006.75,2392.59 1057.93,2341.41 U29B.10@1098.52,2341.41
SPI_MASTER_N_ENABLEA: D47A.1 R85A.2 TP48A.1 U29A.6 U30A.1 U30A.4 U30A.10 U30A.13 | length 1852.5
  Top Layer w10: D47A.1@785.53,3072 v1@868,3072 ; U30A.13@1140.31,2861.72 1182,2861.72 v1(1202,2881.72) ; U30A.10@1140.31,3011.72 1188.21,3011.72 1193.21,3006.72 v1(1197,3006.72) ; v1(1289.33,2809.67) 1291.37,2811.72 U30A.1@1349.95,2811.72 ; v1(1300.33,2961.72) U30A.4@1347,2961.72 ; v1(1512,2632) 1600,2632 1664.64,2567.36 R85A.2@1664.64,2524 1664.64,2450.64 1687.1,2428.18 U29A.6@1729.95,2428.18
  Top Layer w15: v1@868,3072 v1(870,3070)
  Int3 (Sign) w10: v1(870,3070) 1133.72,3070 v1(1197,3006.72) 1177,2986.72 1177,2906.72 v1(1202,2881.72) 1271.36,2812.35 1286.65,2812.35 v1(1289.33,2809.67) ; v1(1300.33,2961.72) 1355.33,2906.72 1355.33,2875.67 v1(1289.33,2809.67) ; v1(1512,2632) 1467,2632 v1(1289.33,2809.67)
  Bottom Layer w10: TP48A.1@1490,2670 1512,2648 v1(1512,2632)